# Altium PCB DBBC7205S.PcbDoc (part 1 of 2) (continued)
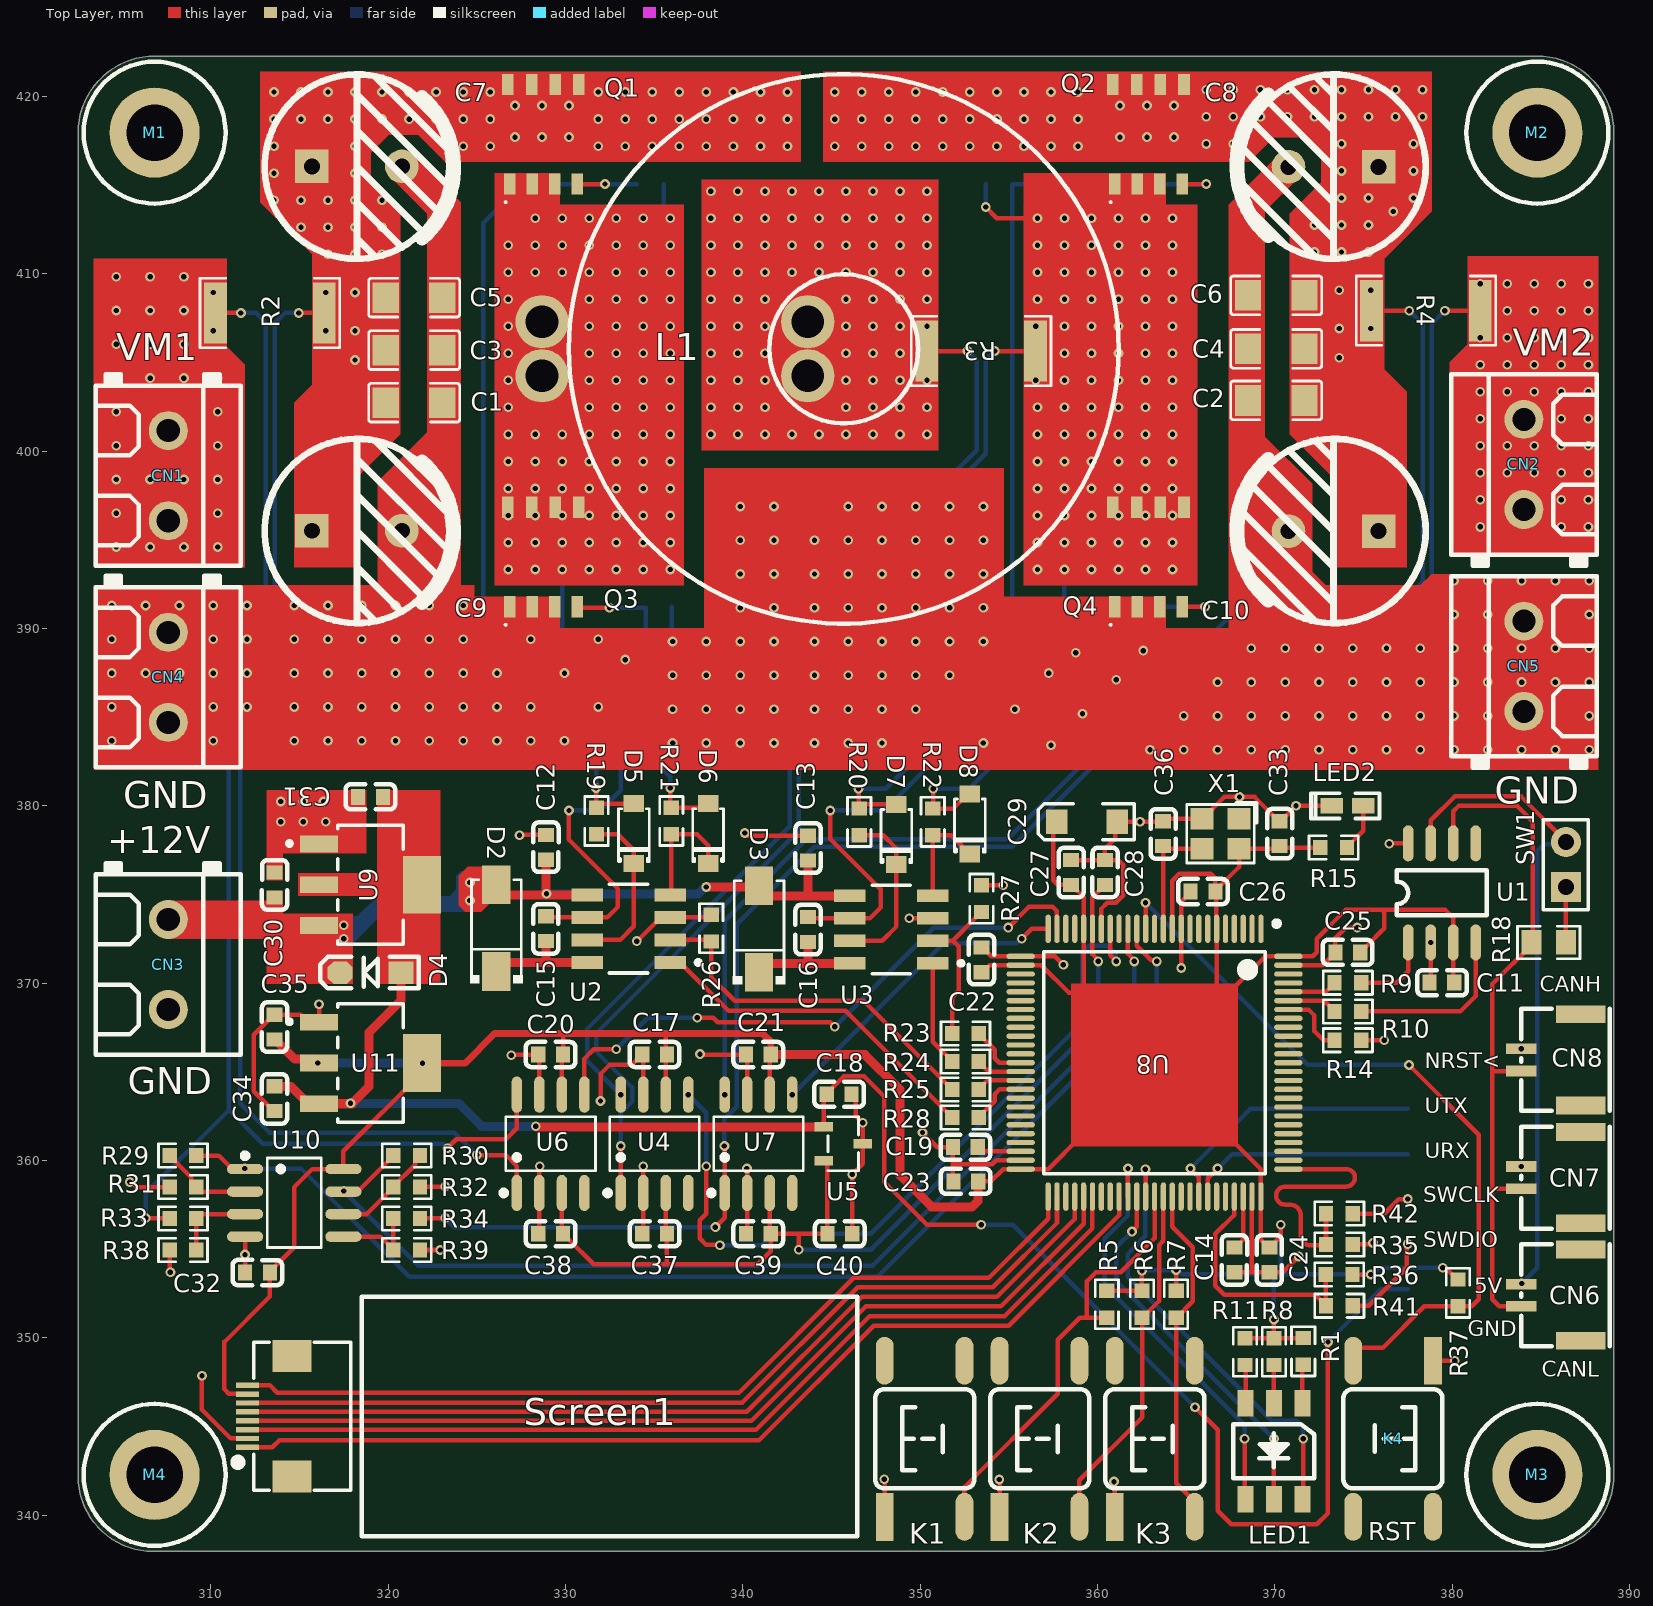
[diagram p0: Top Layer view]
## Footprints (in the part's own frame and the unit in brackets; to place one, negate y for a bottom-side part, rotate by r counter-clockwise, add the part's x,y. Pads: shape width x height; smd on the part's side, far side on the other; paste and mask are expansions set on the pad) (continued)
SMA [mm]
  rect 2.185x1.593 smd: 1(-2.442,0) 2(2.442,0)
  silkscreen extent -2.73,-1.48 3.11,1.48, body extent -2.6,-1.3 2.6,1.3, height 2
SOD-123 [mil] "2.7x1.6X1.1mm（长宽高，不包括引脚）"
  rect 55x50 smd: 1(-67.5,0)
  oct 55x50 smd: 2(67.5,0)
  silkscreen extent -108,-35 112,35, body extent -73,-31 73,31, height 48
SOD-123_L2.8-W1.8-LS3.7-RD [mm]
  rect 0.95x1.15 smd: 1(-1.692,0) 2(1.692,0)
  silkscreen extent -1.58,-0.87 1.41,0.87
SOIC-8_L4.9-W3.9-P1.27-LS6.0-BL [mm]
  oval 0.588x2.045 smd: 1(-1.905,-2.772) 2(-0.635,-2.772) 3(0.635,-2.772) 4(1.905,-2.772) 5(1.905,2.772) 6(0.635,2.772) 7(-0.635,2.772) 8(-1.905,2.772)
  silkscreen extent -2.8,-2.92 2.53,1.52
SOP-8 [mil] "（蒜米工坊）"
  oval 80x24 smd: 1(-1,-1) 2(-1,-51) 3(-1,-101) 4(-1,-151) 5(219,-151) 6(219,-101) 7(219,-51) 8(219,-1)
  silkscreen extent 59,-176 159,24, body extent -4,-174 234,24, height 63
SOT-23-3_L3.0-W1.7-P0.95-LS2.9-BR [mm]
  rect 1.037x0.532 smd: 1(1.101,-0.95) 2(1.101,0.95) 3(-1.101,0)
  silkscreen extent -0.86,-1.53 0.86,1.53
"TSW SMD-6*6*5" [mm] "6*6*5mm"
  rect 2.7x1 smd: 1(-4.4,2.261)
  oval 2.7x1 smd: 2(4.4,2.261) 3(-4.4,-2.239) 4(4.4,-2.239)
  silkscreen extent -2.79,-2.79 2.79,2.79, body extent -4.5,-3 4.5,3, height 4.95

## Part data
C1 C2 C3 C4 C5 C6: library part C1206, BOM_JLCPCB Part Class="Basic Part", BOM_Manufacturer=FH, BOM_Manufacturer Part=1206B102K202NT, BOM_Supplier=LCSC, BOM_Supplier Part=C9196, nameAlias=Capacitance, spicePre=C, spiceSymbolName=1206B102K202NT
C7 C8 C9 C10: library part "CAP 5.0*10*16", "脚距5mm直径10mm高度16mm", BOM_JLCPCB Part Class="Extended Part", BOM_Manufacturer=ValuePro, BOM_Manufacturer Part="50V 100uF 8X12", BOM_Supplier=LCSC, BOM_Supplier Part=C2749, nameAlias=Capacitance, spicePre=C, spiceSymbolName="50V 100uF 8X12"
C11 C12 C13 C14 C15 C16 C17 C18 C19 C20 C21 C22 C23 C24 C25 C26 C27 C28 C30 C31 C32 C33 C34 C35 C36 C37 C38 C39 C40: library part C0603, BOM_JLCPCB Part Class="Basic Part", BOM_Manufacturer=YAGEO, BOM_Manufacturer Part=CC0603KRX7R9BB104, BOM_Supplier=LCSC, BOM_Supplier Part=C14663, nameAlias=Capacitance, spicePre=C, spiceSymbolName=CC0603KRX7R9BB104
C29: library part A型钽电容, "长3.2mm，宽1.6mm，厚1.6mm", BOM_JLCPCB Part Class="Extended Part", BOM_Manufacturer=ValuePro, BOM_Manufacturer Part="50V 100uF 8X12", BOM_Supplier=LCSC, BOM_Supplier Part=C2749, nameAlias=Capacitance, spicePre=C, spiceSymbolName="50V 100uF 8X12"
CN1 CN2 CN3 CN4 CN5: library part MKDSN5.08-2P, "间距:5.08mm;排数:1;每排PIN数:2;安装方式:直针;额定电流:13.5A;额定电压:400V;工作温度范围:-;颜色:绿色;", Color=绿色, Current Rating (Max)=13.5A, JLCPCB Part Class="Extended Part", LCSC Part Name="5.08mm 排数:1 每排P数:2 直针", Manufacturer="Phoenix Contact(菲尼克斯)", Operating Temperature Range=-, Voltage Rating (Max)=400V, Add into BOM=yes, Convert to PCB=yes, Datasheet=https://atta.szlcsc.com/upload/public/pdf/source/20161226/1482720163948.pdf, Device=1729128, Manufacturer Part=1729128, Mounting Style=直针, Number of PINs Per Row=2, Number of Rows=1, Pitch=5.08mm, Supplier=LCSC, Supplier Footprint=插件,P=5.08mm, Supplier Part=C91153, Symbol=MKDSN1.5/2-5.08
CN6 CN7 CN8: BOM_JLCPCB Part Class="Extended Part", BOM_Manufacturer="Changjiang Connectors", BOM_Manufacturer Part=A1257WV-S-2P, BOM_Supplier=LCSC, BOM_Supplier Part=C225118, Contributor=LCSC, spicePre=C, spiceSymbolName=A1257WV-S-2P
D2 D3: "25ns 0.875V压降 1A快恢复二极管", Average Rectified Current (Io)=1A, Forward Voltage (Vf@If)=1.7V@1A, JLCPCB Part Class="Extended Part", LCSC Part Name="600V 1A 35ns", Manufacturer=MDD, Manufacturer Part=ES1J, Operating Temperature=-55℃~+150℃@(Tj), Reverse Leakage Current=5uA@600V, Reverse Voltage (Vr)=600V, Add into BOM=yes, Convert to PCB=yes, Datasheet=https://atta.szlcsc.com/upload/public/pdf/source/20200710/C412438_D778E045B8BDD674EB487A7C2F57C90E.pdf, Device=ES1J_C412438, Diode Configuration=独立式, Name=ES1J, Reverse Recovery Time (trr)=35ns, Supplier=LCSC, Supplier Footprint=SMA, Supplier Part=C412438, Symbol=ES1JG_C412438
D4: BOM_JLCPCB Part Class="Extended Part", BOM_Manufacturer=Doeshare(德芯), BOM_Manufacturer Part=SS34, BOM_Supplier=LCSC, BOM_Supplier Part=C2931787, Contributor=LCSC, spicePre=D, spiceSymbolName=SS34_C2931787
D5 D6 D7 D8: "小封装快恢复二极管", Average Rectified Current (Io)=1A, Forward Voltage (Vf@If)=950mV@1A, JLCPCB Part Class="Extended Part", LCSC Part Name="电压:200V 电流:1A", Manufacturer=FUXINSEMI(富芯森美), Operating Temperature=-55℃~+150℃@(Tj), Reverse Leakage Current=5mA, Reverse Voltage (Vr)=200V, Add into BOM=yes, Convert to PCB=yes, Datasheet=https://atta.szlcsc.com/upload/public/pdf/source/20220617/70FC00B35BDEA29A28FAEA4D4AB0042F.pdf, Device=DSF1D_C915614, Diode Configuration=独立式, Manufacturer Part=DSF1D, Reverse Recovery Time (trr)=35ns, Supplier=LCSC, Supplier Footprint=SOD-123, Supplier Part=C915614, Symbol=DSF1D_C915614
H1: JLCPCB Part Class="Extended Part", LCSC Part Name="间距:2.54mm 1x7P 卧贴", Manufacturer="XKB Connectivity(中国星坤)", Manufacturer Part=X6511FRS-07-C85D30, Add into BOM=yes, Convert to PCB=yes, Datasheet=https://atta.szlcsc.com/upload/public/pdf/source/20220822/AB9A82E80C220285963E5EFA3BFD32FF.pdf, Device=X6511FRS-07-C85D30, Holes Structure=1x7P, Insulation Height=8.5mm, Mounting Type=卧贴, Name=X6511FRS-07-C85D30, Number of Holes=7P, Number of Rows=单排, Pitch=2.54mm, Supplier=LCSC, Supplier Footprint=SMD,P=2.54mm, Supplier Part=C5142240, Symbol=X6511FRS-07-C85D30
K1 K2 K3 K4: BOM_JLCPCB Part Class="Extended Part", BOM_Manufacturer=GANGYUAN(港源), BOM_Manufacturer Part=KAN0661-1001B, BOM_Supplier=LCSC, BOM_Supplier Part=C231715, Contributor=LCSC, spicePre=S, spiceSymbolName=KAN0661-1001B
L1: library part 106-125铁硅铝磁环电感, BOM_JLCPCB Part Class="Extended Part", BOM_Manufacturer=FH(风华), BOM_Manufacturer Part=HA42-4R7MT, BOM_Supplier=LCSC, BOM_Supplier Part=C2936653, Contributor=LCSC, nameAlias=Inductance, spicePre=L, spiceSymbolName=HA42-4R7MT
LED1: "5050RGB-LED", BOM_Manufacturer=EVERLIGHT(台湾亿光), BOM_Manufacturer Part=11-21/BHC-AQ2S2/2T, BOM_Supplier=LCSC, BOM_Supplier Part=C3014404, Contributor=lcsc, spicePre=L, spiceSymbolName=11-21/BHC-AQ2S2/2T
LED2: "绿色0603LED", BOM_Manufacturer=EVERLIGHT(台湾亿光), BOM_Manufacturer Part=11-21/BHC-AQ2S2/2T, BOM_Supplier=LCSC, BOM_Supplier Part=C3014404, Contributor=lcsc, spicePre=L, spiceSymbolName=11-21/BHC-AQ2S2/2T
M1 M2 M3 M4: "M3铜柱，长：5mm"
Q1 Q2 Q3 Q4: library part BSC070N10NS3G, "N-Channel OptiMOS 3 Power-Transistor, 100 V VDS, 90 A ID, -55 to 150 degC, PG-TDSON-8-1, Reel, Green", Manufacturer=Infineon, ComponentLink1Description="Manufacturer URL", ComponentLink1URL=http://www.infineon.com/, ComponentLink2Description=Datasheet, ComponentLink2URL=http://www.infineon.com/dgdl/BSC070N10NS3+Rev2+1.pdf?folderId=db3a304313b8b5a60113cee8763b02d7&fileId=db3a304327b89750012824712c6c6f2f, ComponentLink3Description="Package Specification", ComponentLink3URL=http://www.infineon.com/cms/packages/SMD_-_Surface_Mounted_Devices/P-PG-TDSON/P-PG-TDSON-08-01x_2x_3.html?__locale=en, DatasheetVersion="Rev. 2.0", Green=TRUE, Halogen-free=TRUE, ID (max)="90Â A", IDpuls (max)="360Â A", Manufacturer Part Number=BSC070N10NS3G, Mounting Technology="Surface Mount", PackageDescription="8-Pin Plastic (Green) Thin Dual Small Outline Non-Leaded Package, 5.15 x 5.9 mm Body, 1.27 mm Pitch", PackageReference=PG-TDSON-8-1, Packing=Reel, PartNumber="BSC070N10NS3 G", Polarity=N, Ptot (max)="114Â W", QG="42Â nC", RDS (on) (max)="7Â mOhm", Rth="1.1Â K/W", RthJA (max)="50Â K/W", RthJC (max)="1.1Â K/W", VDS (max)="100Â V", VGS(th) (max)="3.5Â V", VGS(th) (min)="2Â V"
R1 R5 R6 R7 R8 R9 R10 R11 R12 R13 R14 R15 R16 R17 R19 R20 R21 R22 R23 R24 R25 R26 R27 R28 R29 R30 R31 R32 R33 R34 R35 R36 R37 R38 R39 R41 R42: library part R0603, BOM_JLCPCB Part Class="Extended Part", BOM_Manufacturer=YAGEO, BOM_Manufacturer Part=SR0603JR-071RL, Resistance=1Ω, BOM_Supplier=LCSC, BOM_Supplier Part=C326890, Contributor=LCSC, nameAlias="Resistance (Ohms)", spicePre=R, spiceSymbolName=SR0603JR-071RL
R2 R3 R4: library part R2512, BOM_JLCPCB Part Class="Extended Part", BOM_Manufacturer=YAGEO, BOM_Manufacturer Part=SR2512FK-0751RL, Resistance=51Ω, BOM_Supplier=LCSC, BOM_Supplier Part=C375694, Contributor=LCSC, nameAlias="Resistance (Ohms)", spicePre=R, spiceSymbolName=SR2512FK-0751RL
R18: library part R0805, BOM_JLCPCB Part Class="Extended Part", BOM_Manufacturer=YAGEO, BOM_Manufacturer Part=SR0805FR-0710RL, Resistance=10Ω, BOM_Supplier=LCSC, BOM_Supplier Part=C723409, Contributor=LCSC, spicePre=R, spiceSymbolName=SR0805FR-0710RL
Screen1: library part FPC-8P-0.5, "FPC连接器", BOM名称=FPC连接器, 学习资源=https://lmdzstyle.taobao.com/, 版权归属=黎明电子style
SW1: BOM_JLCPCB Part Class="Extended Part", BOM_Manufacturer=BOOMELE, BOM_Manufacturer Part="Header2.54mm 1*3P", BOM_Supplier=LCSC, BOM_Supplier Part=C49257, spicePre=H, spiceSymbolName=Header-Male-2.54_1x3
U1: "常用CAN收发器", BOM_JLCPCB Part Class="Basic Part", BOM_Manufacturer=TI, BOM_Manufacturer Part=SN65HVD230DR, BOM_Supplier=LCSC, BOM_Supplier Part=C12084, spicePre=U, spiceSymbolName=SN65HVD230DR
U2 U3: library part CMP-32851-000025-1, "IC GATE DRVR HALF-BRIDGE 8SOIC", Ambient Temperature Range High=+125°C, Ambient Temperature Range Low=-40°C, Manufacturer=Infineon, Max Junction Temp=+150°C, Max Power Dissipation=0.625W, Max Supply Voltage=20V, Min Supply Voltage=10V, Nominal Supply Current=60-1000uA, Package=PG-DSO-8, Temperature="to +150°C", Automotive=No, Category=IC, ComponentLink2Description=Datasheet, ComponentLink2URL=https://www.infineon.com/dgdl/ir2184.pdf?fileId=5546d462533600a4015355c955e616d4, Device Class L1="Integrated Circuits (ICs)", Device Class L2="Power Management ICs", Device Class L3="Gate Drivers", Digikey Description="IC GATE DRVR HALF-BRIDGE 8SOIC", Fall Time=20ns, Footprint Url=https://www.infineon.com/dgdl/Infineon-po-8leadsoic-P-v01_00-EN.pdf?fileId=5546d462580663ef0158068b4ad80177, Height=1.75mm, Ipc Land Pattern Name=SOIC127P600X155-8, Lead Free=Yes, Manufacturer Part Number=IR2184SPBF, Number Of Drivers=2, Number of Outputs=1, Octopart=https://octopart.com/ir2184spbf-infineon-65872954, Rise Time=40ns, RoHS=TRUE, Standoff Height=0.1mm, Temperature Range High=+150°C, Turn Off Delay Time=270ns, Turn On Delay Time=680ns
U4 U6 U7: "低噪声低温漂双向电流高端检测芯片", Common Mode Voltage=6V~80V, JLCPCB Part Class="Extended Part", LCSC Part Name=线性产品, Manufacturer=analogysemi(类比半导体), Operating Temperature=-40℃~125℃, Supply Voltage=2.7V~5.5V, Add into BOM=yes, Convert to PCB=yes, Datasheet=https://atta.szlcsc.com/upload/public/pdf/source/20230221/4ACBE0500A397B3D4468D76F97F173B7.pdf, Device=CSA240LCSOIC8, Gain=20V/V, Manufacturer Part=CSA240LCSOIC8, Name=CSA240LCSOIC8, Number of Channels=1, Supplier=LCSC, Supplier Footprint=SOIC-8, Supplier Part=C5359411, Symbol=CSA240LCSOIC8
U5: "3.3V基准电压源", Input Voltage=3.35V~5.5V, JLCPCB Part Class="Extended Part", Manufacturer=TI(德州仪器), Operating Temperature=-40℃~+125℃@(Ta), Output Current=25mA, Output Voltage=3.3V, Supply Current=50uA, Temperature Coefficient=75ppm/℃, Tolerance=±0.2%, Add into BOM=yes, Convert to PCB=yes, Datasheet=https://www.ti.com/cn/lit/gpn/ref3020, Device=REF3033AIDBZR, LCSC Part Name=REF3033AIDBZR, Manufacturer Part=REF3033AIDBZR, Name=REF3033AIDBZR, Noise - 10Hz to 10kHz=105uVrms, Output Type=固定, Reference Type=串联, Supplier=LCSC, Supplier Footprint=SOT-23, Supplier Part=C36658, Symbol=REF3033AIDBZR
U8: "STM32H7", JLCPCB Part Class="Extended Part", LCSC Part Name=480MHz, Low-Voltage Detect=有, Manufacturer=ST(意法半导体), Operating Temperature Range=-40℃~+85℃, Operating Voltage Range=1.71V~3.6V, ADC (Bit)=16bit, Add into BOM=yes, Convert to PCB=yes, CPU Maximum Speed=480MHz, DAC (Bit)=12bit, Datasheet=https://atta.szlcsc.com/upload/public/pdf/source/20200508/C529058_DA70143F266D6D825C3A912656F12A87.pdf, Device=STM32H743VIT6_C114409, Direct Memory Access=有, GPIO Ports Number=82, Infrared Data Association=有, Internal Oscillator=有, LCD Module=有, Manufacturer Part=STM32H743VIT6, Name=STM32H743VIT6, Program Storage Size=2MB, Secure Digital Input and Output=有, Supplier=LCSC, Supplier Footprint=LQFP-100(14x14), Supplier Part=C114409, Symbol=STM32H743VIT6_C114409, Universal Serial Bus=有, Watchdog=有
U9: library part CMP-04917-000165-1, "IC REG LINEAR 5V 800MA SOT223-4", Case/Package=SOT-223, Dropout Voltage=1.2V, Input Bias Current=5mA, Max Input Voltage=15V, Max Operating Temperature=125°C, Max Output Current=800mA, Min Input Voltage=6.4V, Min Operating Temperature=-40°C, Nominal Output Voltage=5V, Package Quantity=80, Quiescent Current=15mA, Reference Voltage=5.2V, Height=1.7mm, Lead Free="Lead Free", Length=6.7mm, Min Current Limit=800mA, Mount="Surface Mount", Number of Outputs=1, Number of Pins=3, Number of Regulators=1, Output Current=800mA, Output Type=Fixed, Output Voltage=5V, Packaging=Rail/Tube, Polarity=Positive, Radiation Hardening=No, REACH SVHC="No SVHC", RoHS Compliant=Yes, Series=-, Width=3.7mm
U10: "1.5MHZ, 轨到轨高精双通道运放", JLCPCB Part Class="Extended Part", Manufacturer=Gainsil(聚洵), Operating Temperature=-40℃~+125℃, Supply Current=180uA, Supply Voltage=1.8V~5.5V, Add into BOM=yes, Convert to PCB=yes, Datasheet=https://atta.szlcsc.com/upload/public/pdf/source/20200615/C605420_EE0E567F8FF01D919583B114644E1CC3.pdf, Device=GS8552-SR, Gain Bandwidth Product(GBP)=1.8MHz, LCSC Part Name=GS8552-SR, Manufacturer Part=GS8552-SR, Name=GS8552-SR, Number of Circuits=双路, Slew Rate(SR)=0.95V/us, Supplier=LCSC, Supplier Footprint=SOIC-8, Supplier Part=C157716, Symbol=GS8552-SR
U11: library part CMP-04917-000056-1, "IC REG LIN 3.3V 800MA SOT223-4", Dropout Voltage=1.2V, Manufacturer="Texas Instruments", Max Junction Temp=+125°C, Max Supply Voltage=15V, Min Supply Voltage=4.7V, Nominal Supply Current=5mA, Output Current=0.8A, Output Voltage=3.3V, Package=DCY0004A, Temperature="-40°C to +125°C", Temperature Range Low=-40°C, Automotive=No, Category=IC, ComponentLink2Description=Datasheet, ComponentLink2URL=http://www.ti.com/lit/ds/symlink/tlv1117.pdf, Device Class L1="Integrated Circuits (ICs)", Device Class L2="Power Management ICs", Device Class L3="Voltage Regulators - Linear", Digikey Description="IC REG LIN 3.3V 800MA SOT223-4", Height=1.8mm, Lead Free=Yes, Manufacturer Part Number=TLV1117-33IDCYR, Mouser Description="LDO Voltage Regulators Fixed LDO Volt Reg", Number of Outputs=1, Octopart=https://octopart.com/tlv1117-33idcyr-texas+instruments-669250, Output Type=Fixed, RoHS=TRUE, Standoff Height=0.02mm, Temperature Range High=+125°C
X1: library part OSC-3225, BOM_JLCPCB Part Class="Extended Part", BOM_Manufacturer=TAE(雅晶鑫), BOM_Manufacturer Part=TFOM8M4RHKCNT2T, BOM_Supplier=LCSC, BOM_Supplier Part=C454610, Contributor=LCSC, spicePre=X, spiceSymbolName=TFOM8M4RHKCNT2T

## Via types
v1: diameter 0.55, hole 0.3, Top Layer to Bottom Layer, 773 vias

## Nets (pads, with @x,y where several pads share a name; then routed paths per layer and width w, separated by ;. In a path a pad name is that pad's centre, name@x,y a point inside that pad or via, vN(x,y) a via of type N, cw(c..) or ccw(c..) an arc to the next point about the centre after c; other vN are vias at no path point)
+3V3: C11.1 C17.2 C20.2 C21.2 C22.2 C23.2 C24.2 C25.2 C26.2 C27.1 C29.1 C32.2 C33.2 C35.2 R1.2 R5.2 R6.2 R7.2 R8.2 R11.2 R15.1 R36.2 R37.2 Screen1.7 U1.3 U4.6 U6.6 U7.6 U8.6 U8.11 U8.21 U8.27 U8.50 U8.75 U8.100 U10.8 U11.2 U11.4 X1.4 | length 193.6
  Top Layer w0.254: Screen1.7@312.082,346.817 312.059,346.84 311.02,346.84 310.769,347.091 310.769,349.758 313.333,352.322 C32.2@313.333,353.669 313.333,353.719 314.706,355.092 314.706,358.495 315.722,359.511 U10.8@317.478,359.511 317.478,360.517 321.937,364.976 v1(321.937,365.473) ; C35.2@313.592,366.81 C35.2@313.642,366.81 ; U6.6@329.802,363.706 329.802,365.903 C20.2@329.866,365.968 329.866,367.11 329.914,367.157 ; U4.6@335.661,363.706 335.661,365.903 C17.2@335.726,365.968 335.661,366.033 335.661,367.157 ; U7.6@341.516,363.706 341.516,365.903 C21.2@341.581,365.968 ; C23.2@353.276,358.813 353.987,358.813 354.68,359.506 U8.50@355.67,359.506 357.22,359.506 359.029,361.315 ; C22.2@353.461,370.608 353.511,370.608 353.91,371.006 U8.27@355.67,371.006 356.831,371.006 358.394,369.443 359.22,369.443 ; C29.1@357.71,379.095 357.505,378.89 357.505,375.793 357.762,375.536 C27.1@358.521,375.536 358.571,375.536 358.844,375.263 358.844,375.213 359.22,374.837 U8.21@359.22,373.056 359.22,369.443 ; 358.861,368.976 359.071,368.976 359.22,369.125 359.22,369.443 ; R5.2@360.532,352.639 R6.2@362.51,352.639 ; v1@362.458,353.822 v1(362.51,353.77) R6.2@362.51,352.639 ; U8.11@364.22,373.056 364.22,375.777 364.617,376.174 366.395,376.174 366.652,375.917 C26.2@366.652,375.208 ; R7.2@364.436,352.639 v1(364.436,353.822) ; C26.2@366.602,375.208 C26.2@366.652,375.208 ; 366.649,369.189 366.72,369.26 U8.6@366.72,373.056 366.711,373.065 C26.2@366.711,375.098 ; 367.411,361.315 369.22,359.506 U8.75@369.22,357.956 ; 367.411,369.443 369.474,371.506 U8.100@370.77,371.506 370.779,371.515 372.15,371.515 372.364,371.729 372.364,372.491 374.015,374.142 376.025,374.142 ; R11.2@368.317,349.962 R8.2@369.96,349.962 ; U8.75@369.212,357.948 369.212,355.527 369.647,355.092 C24.2@369.697,355.092 369.747,355.092 370.02,355.365 370.02,355.415 370.332,355.727 v1(370.332,356.362) ; v1(369.951,351.028) 369.951,349.971 R8.2@369.96,349.962 ; R8.2@369.961,349.961 R8.2@369.96,349.962 ; R8.2@369.961,349.961 371.589,349.962 R1.2@371.609,349.982 ; R15.1@372.563,377.641 370.36,377.641 C33.2@370.28,377.721 370.13,377.571 X1.4@367.987,377.571 367.987,376.543 C26.2@366.652,375.208 ; R36.2@374.386,353.561 375.405,353.561 v1(375.412,353.568) ; C25.2@374.818,371.729 C25.2@375.116,372.027 ; C25.2@374.818,371.779 375.091,372.052 375.141,372.052 376.174,373.085 376.174,373.993 376.025,374.142 ; v1(379.476,353.949) 379.633,353.949 380.306,353.276 R37.2@380.335,353.276 ; C11.1@380.127,370.019 380.063,370.082 U1.3@380.063,372.29 380.063,373.682 379.603,374.142 376.025,374.142
  Top Layer w0.381: v1(321.937,365.473) 324.325,365.473 326.009,367.157 329.914,367.157 335.661,367.157 341.122,367.157 341.581,366.698 C21.2@341.581,365.968
  Top Layer w0.508: C35.2@313.642,366.81 314.738,365.713 315.882,365.713 U11.2@316.103,365.492 ; C21.2@341.581,365.968 346.883,365.968 348.869,363.982 348.869,359.156 350.647,357.378 352.933,357.378 353.276,357.721 C23.2@353.276,358.813
  Bottom Layer w0.254: v1(316.036,365.493) v1@316.046,365.483 ; v1@321.927,365.483 v1(321.937,365.473) ; v1(362.51,353.77) 362.536,353.796 364.41,353.796 v1(364.436,353.822) 364.516,353.822 364.77,353.568 369.951,353.568 ; v1(369.951,351.028) 369.951,353.568 ; v1(370.332,356.362) 370.332,353.568 ; v1(379.476,353.949) 375.873,353.949 375.492,353.568 v1(375.412,353.568) 370.332,353.568 ; 369.951,353.568 370.332,353.568
  Bottom Layer w0.508: v1@316.046,365.483 v1@321.927,365.483
+5: C18.1 C31.2 C34.2 D4.1 H1.6 U5.1 U9.2 U9.4 U11.3 | length 104.4
  Top Layer w0.254: U11.3@315.503,363.192 U11.3@316.103,363.192 ; 321.736,372.083 321.736,372.347 322.684,373.295 ; v1@328.295,361.95 v1(328.328,361.917) v1@328.361,361.884 ; U5.1@344.563,361.907 C18.1@344.563,363.728 ; C18.1@344.74,363.728 344.74,363.778 345.706,364.744 346.837,364.744 347.98,363.601 347.98,358.775 350.393,356.362 v1(353.441,356.362) ; v1(365.506,346.075) 366.776,344.805 366.776,340.233 367.538,339.471 372.364,339.471 372.999,340.106 v1(372.999,349.758)
  Top Layer w0.508: C34.2@313.597,364.174 314.521,364.174 U11.3@315.503,363.192 ; U11.3@316.103,363.192 317.954,363.192 318.921,364.159 318.921,367.207 320.718,369.004 D4.1@320.718,370.595 ; v1@328.361,361.884 342.773,361.884 U5.1@344.563,361.884
  Bottom Layer w0.254: v1(353.441,356.362) 355.219,356.362 v1(365.506,346.075) ; v1(372.999,349.758) 375.978,352.737 H1.6@377.498,352.737
  Bottom Layer w0.508: v1(317.881,363.22) 323.977,363.22 325.28,361.917 v1(328.328,361.917)
+12: C12.2 C13.2 C30.2 CN3.1 D2.1 D3.1 D4.2 U2.5 U3.5 U9.3 | length 27
  Top Layer w0.254: D2.1@326.102,375.536 D2.1@326.669,374.969 ; C12.2@328.846,376.954 C12.2@328.896,376.954 ; v1@328.896,375.017 v1@328.943,374.969 ; D3.1@340.844,375.412 D3.1@340.921,375.488 D3.1@341.488,374.921 ; 343.676,375.009 343.763,374.921
  Top Layer w0.508: D2.1@326.669,374.969 328.943,374.969 U2.5@331.218,374.969 ; v1@328.896,375.017 C12.2@328.896,376.954 ; v1(337.947,375.412) D3.1@340.844,375.412 ; D3.1@341.488,374.921 343.763,374.921 U3.5@346.039,374.921 ; 343.676,375.009 C13.2@343.676,376.906
  Bottom Layer w0.254: v1@337.867,375.412 v1(337.947,375.412)
  Bottom Layer w0.508: v1(328.93,375.031) 337.486,375.031 v1@337.867,375.412
  other v1: 317.5,372.491 317.5,373.253 324.612,374.65 324.612,375.666
A_HS: C15.2 L1.1 Q1.1 Q1.2 Q1.3 Q3.5 Q3.6 Q3.7 Q3.8 R12.1 U2.6 | length 30.5
  Top Layer w0.254: C15.2@328.896,373.764 328.961,373.699 U2.6@331.218,373.699 332.35,373.699 332.96,374.309 332.96,375.321 330.2,378.081 v1(330.2,379.73)
  Bottom Layer w0.254: v1@326.644,393.112 326.771,393.239 v1(326.771,393.319) ; 329.434,393.065 329.438,393.065 ; v1(329.819,393.319) 329.819,389.89 333.121,386.588 333.121,380.873 331.978,379.73 v1(330.2,379.73) ; R12.1@335.537,415.055 335.537,413.589 335.915,413.211 v1(335.915,413.131)
  other v1: 328.295,393.319 331.343,393.319 332.867,393.319 334.391,393.319 335.915,393.319 326.771,394.843 328.295,394.843 329.819,394.843 331.343,394.843 332.867,394.843 334.391,394.843 335.915,394.843 326.771,396.367 328.295,396.367 329.819,396.367 331.343,396.367 332.867,396.367 334.391,396.367 335.915,396.367 326.771,397.891 328.295,397.891 329.819,397.891 331.343,397.891 332.867,397.891 334.391,397.891 335.915,397.891 326.771,399.415 328.295,399.415 329.819,399.415 331.343,399.415 332.867,399.415 334.391,399.415 335.915,399.415 326.771,400.939 328.295,400.939 329.819,400.939 331.343,400.939 332.867,400.939 334.391,400.939 335.915,400.939 326.771,402.463 331.343,402.463 332.867,402.463 334.391,402.463 335.915,402.463 326.771,403.987 331.343,403.987 332.867,403.987 334.391,403.987 335.915,403.987 326.771,405.511 331.343,405.511 332.867,405.511 334.391,405.511 335.915,405.511 326.771,407.035 331.343,407.035 332.867,407.035 334.391,407.035 335.915,407.035 326.771,408.559 331.343,408.559 332.867,408.559 334.391,408.559 335.915,408.559 326.771,410.083 328.295,410.083 329.819,410.083 331.343,410.083 332.867,410.083 334.391,410.083 335.915,410.083 326.771,411.607 328.295,411.607 329.819,411.607 331.343,411.607 332.867,411.607 334.391,411.607 335.915,411.607 328.295,413.131 329.819,413.131 331.343,413.131 332.867,413.131 334.391,413.131
ADC_Iin: U6.5 U8.24 | length 33.7
  Top Layer w0.254: U6.5@331.072,363.706 331.072,365.743 331.597,366.268 v1(332.867,366.268) ; v1(337.439,368.046) 338.328,368.046 338.582,367.792 344.932,367.792 v1(345.186,367.538) ; v1(354.965,373.126) 356.13,374.291 357.483,374.291 357.711,374.063 357.711,373.065 U8.24@357.72,373.056
  Bottom Layer w0.254: v1(332.867,366.268) 334.645,368.046 v1(337.439,368.046) ; v1(345.186,367.538) 350.774,373.126 v1(354.965,373.126)
ADC_IL: U4.5 U8.18 | length 44.2
  Top Layer w0.254: v1(337.947,359.664) 337.947,356.997 337.566,356.616 337.566,355.6 337.926,355.24 338.688,355.24 v1(338.709,355.219) ; U8.18@360.72,373.056 360.72,371.562 v1(361.061,371.221)
  Bottom Layer w0.254: v1(336.931,363.706) 337.947,362.69 v1(337.947,359.664) ; v1(338.709,355.219) 341.099,355.219 341.734,355.854 347.218,355.854 359.156,367.792 359.156,371.729 359.537,372.11 360.553,372.11 361.042,371.621 361.042,371.24 v1(361.061,371.221)
ADC_Iout: U7.5 U8.25 | length 18.3
  Top Layer w0.254: v1(355.727,372.491) 356.292,373.056 U8.25@357.22,373.056
  Bottom Layer w0.254: v1(342.786,363.706) 351.317,372.237 355.43,372.237 355.684,372.491 v1(355.727,372.491)
ADC_Vin: R29.2 U8.15 U10.1 | length 68
  Top Layer w0.254: R29.2@309.184,360.273 310.443,360.273 311.205,359.511 U10.1@311.934,359.511 ; U8.15@362.22,373.056 362.22,372.094 363.036,371.278 363.29,371.278 v1(363.347,371.221)
  Bottom Layer w0.254: v1(311.912,359.537) 315.087,359.537 321.183,353.441 347.599,353.441 363.347,369.189 v1(363.347,371.221)
ADC_Vout: R30.2 U8.16 U10.7 | length 60.5
  Top Layer w0.254: U10.7@317.478,358.241 318.291,358.241 320.294,360.245 R30.2@320.294,360.273 ; U8.16@361.72,373.056 361.72,371.658 362.077,371.301 v1(362.077,371.221)
  Bottom Layer w0.254: v1(317.5,358.267) 321.697,354.07 347.339,354.07 362.077,368.808 v1(362.077,371.221)
AmosH: D5.2 Q1.4 R12.2 R19.2 | length 49
  Top Layer w0.254: Q1.4@330.659,415.055 v1(332.232,415.055) ; v1(331.724,381) 331.724,379.914 R19.2@331.749,379.889 331.982,380.122 D5.2@333.858,380.122
  Bottom Layer w0.254: v1(331.724,381) 331.724,384.429 325.374,390.779 325.374,412.877 327.552,415.055 v1(332.232,415.055) R12.2@334.031,415.055
AmosL: D6.2 Q3.4 R16.2 R21.2 | length 17.9
  Top Layer w0.254: Q3.4@330.659,391.219 330.718,391.16 v1(332.486,391.16) ; v1(335.915,381) 335.915,379.947 R21.2@335.973,379.889 337.813,379.889 D6.2@338.046,380.122
  Bottom Layer w0.254: v1(332.486,391.16) 334.518,391.16 334.518,383.032 335.915,381.635 v1(335.915,381)
B_HS: C16.2 Q2.1 Q2.2 Q2.3 Q4.5 Q4.6 Q4.7 Q4.8 R3.2 R13.2 U3.6 U4.1 | length 101.2
  Top Layer w0.254: U4.1@333.121,358.162 v1(333.121,360.807) ; C16.2@343.682,373.716 343.747,373.651 U3.6@346.039,373.651 347.171,373.651 347.781,374.261 347.781,375.277 344.932,378.126 v1(344.932,379.73) ; v1(353.695,413.766) 354.33,413.131 v1(356.616,413.131) ; v1(354.203,405.638) R3.2@356.507,405.638
  Bottom Layer w0.254: v1(333.121,360.807) 333.121,362.676 333.756,363.311 333.756,364.109 331.724,366.141 331.724,367.157 343.154,378.587 343.154,396.748 344.551,398.145 352,398.145 353.695,399.84 353.695,405.13 v1(354.203,405.638) ; v1(344.932,379.73) 347.98,379.73 358.14,389.89 v1(358.14,393.319) ; v1(353.695,413.766) 353.695,415.027 R13.2@353.704,415.036 ; v1@356.476,393.099 356.616,393.239 v1(356.616,393.319)
  other v1: 359.664,393.319 361.188,393.319 362.712,393.319 364.236,393.319 356.616,394.843 358.14,394.843 359.664,394.843 361.188,394.843 362.712,394.843 364.236,394.843 356.616,396.367 358.14,396.367 359.664,396.367 361.188,396.367 362.712,396.367 364.236,396.367 356.616,397.891 358.14,397.891 359.664,397.891 361.188,397.891 362.712,397.891 364.236,397.891 356.616,399.415 358.14,399.415 359.664,399.415 361.188,399.415 362.712,399.415 364.236,399.415 356.616,400.939 358.14,400.939 359.664,400.939 361.188,400.939 362.712,400.939 364.236,400.939 356.616,402.463 358.14,402.463 359.664,402.463 361.188,402.463 362.712,402.463 364.236,402.463 356.526,403.987 358.14,403.987 359.664,403.987 361.188,403.987 362.712,403.987 364.236,403.987 358.14,405.511 359.664,405.511 361.188,405.511 362.712,405.511 364.236,405.511 356.526,407.035 358.14,407.035 359.664,407.035 361.188,407.035 362.712,407.035 364.236,407.035 356.616,408.559 358.14,408.559 359.664,408.559 361.188,408.559 362.712,408.559 364.236,408.559 356.616,410.083 358.14,410.083 359.664,410.083 361.188,410.083 362.712,410.083 364.236,410.083 356.616,411.607 358.14,411.607 359.664,411.607 361.188,411.607 362.712,411.607 364.236,411.607 358.14,413.131 359.664,413.131 361.188,413.131 362.712,413.131 364.236,413.131
BmosH: D7.2 Q2.4 R13.1 R20.2 | length 54.2
  Top Layer w0.254: v1(346.526,380.952) 346.526,379.885 R20.2@346.57,379.841 346.803,380.074 D7.2@348.666,380.074 ; Q2.4@364.781,415.055 v1(366.141,415.055)
  Bottom Layer w0.254: v1(346.526,380.952) 348.059,380.952 355.21,388.103 355.21,391.677 R13.1@355.21,415.036 355.229,415.055 v1(366.141,415.055)
BmosL: D8.2 Q4.4 R17.2 R22.2 | length 25.4
  Top Layer w0.254: v1(350.741,380.952) 350.741,379.87 R22.2@350.712,379.841 351.887,379.841 352.706,380.66 D8.2@352.806,380.66 D8.2@352.573,380.427 ; Q4.4@364.781,391.219 v1(366.073,391.219)
  Bottom Layer w0.254: v1(350.741,380.952) 352.758,380.952 361.973,390.167 R17.2@361.973,391.217 361.975,391.219 v1(366.073,391.219)